# Allegro board 038RT-9068CJK8E-A100_0921_1.brd (continued)
## Routing (per net, layer and track width the routed paths; a pad name or vN(x,y) marks a point on that pad's centre or on a via; arc(x,y) is an arc through that point) (continued)
S1_P4_HSO+: length 165.7
  L05_SIGNAL w0.1: 407.91,198.6 407.91,198.58 407.92,198.57 407.92,197.7 arc(407.95,197.51) 408.06,197.35 409.58,195.83 arc(409.74,195.72) 409.93,195.68 434.92,195.68 arc(435.5,195.8) 435.98,196.12 arc(436.04,196.16) 436.11,196.18 436.82,196.18 arc(437.92,195.96) 438.85,195.34 439.2,194.99 arc(440.1,194.39) 441.17,194.17 442.49,194.17 arc(443.13,194.25) 443.74,194.49 arc(444.11,194.65) 444.5,194.74 arc(444.66,194.75) 444.82,194.76 445.78,194.76 arc(446.57,194.92) 447.25,195.37 448.7,196.82 452.49,200.61 arc(454.16,201.73) 456.13,202.12 480.46,202.12 arc(485.55,201.11) 489.86,198.22 497.35,190.73 arc(498.33,190.08) 499.48,189.85 540.85,189.85 arc(541.28,189.76) 541.64,189.52 543.47,187.68 arc(545.16,186.56) 547.14,186.17 547.14,186.16 548.23,186.16 548.23,186.17 550.17,186.17 arc(550.64,186.26) 551.04,186.52 arc(551.38,187.04) 551.5,187.65 551.5,190.13 arc(551.47,190.31) 551.37,190.46 551.2,190.62 arc(550.94,190.8) 550.63,190.86 549.89,190.86 arc(549.65,190.81) 549.44,190.67 arc(549.36,190.61) 549.26,190.59 548.44,190.59 arc(548.35,190.61) 548.27,190.66 v1(548.19,190.74)
  L05_SIGNAL w0.102: 407.91,198.6 407.91,198.71 arc(407.9,198.8) 407.85,198.87 v4(407.7,199.02)
  BOTTOM w0.105: v1(548.19,190.74) 548.29,190.64 551.57,190.64 UNK1K184.7
S1_P4_HSO-: length 165.7
  L05_SIGNAL w0.1: 408.28,198.6 408.28,198.58 408.28,198.57 408.28,197.7 arc(408.29,197.65) 408.32,197.6 409.84,196.09 arc(409.88,196.06) 409.93,196.05 434.92,196.05 arc(435.36,196.13) 435.73,196.38 arc(435.9,196.5) 436.11,196.54 436.82,196.54 arc(438.06,196.29) 439.11,195.59 439.46,195.25 arc(440.24,194.72) 441.17,194.54 442.49,194.54 arc(443.05,194.61) 443.57,194.81 arc(444,194.99) 444.45,195.1 arc(444.63,195.12) 444.82,195.12 445.78,195.12 arc(446.43,195.25) 446.99,195.62 452.23,200.87 arc(454.02,202.06) 456.13,202.48 480.46,202.48 arc(485.69,201.44) 490.12,198.48 497.61,190.99 arc(498.47,190.41) 499.48,190.21 521.7,190.21 arc(521.82,190.23) 521.92,190.3 521.94,190.32 arc(522.04,190.38) 522.16,190.41 522.3,190.41 arc(522.42,190.38) 522.52,190.32 522.54,190.3 arc(522.64,190.23) 522.76,190.21 522.9,190.21 arc(523.02,190.23) 523.12,190.3 523.14,190.32 arc(523.24,190.38) 523.36,190.41 523.5,190.41 arc(523.62,190.38) 523.72,190.32 523.74,190.3 arc(523.84,190.23) 523.96,190.21 524.1,190.21 arc(524.22,190.23) 524.32,190.3 524.34,190.32 arc(524.44,190.38) 524.56,190.41 524.7,190.41 arc(524.82,190.38) 524.92,190.32 524.94,190.3 arc(525.04,190.23) 525.16,190.21 525.3,190.21 arc(525.42,190.23) 525.52,190.3 525.54,190.32 arc(525.64,190.38) 525.76,190.41 525.9,190.41 arc(526.02,190.38) 526.13,190.32 526.14,190.3 arc(526.24,190.23) 526.36,190.21 526.5,190.21 arc(526.62,190.23) 526.73,190.3 526.74,190.32 arc(526.84,190.38) 526.96,190.41 527.1,190.41 arc(527.22,190.38) 527.33,190.32 527.34,190.3 arc(527.44,190.23) 527.56,190.21 527.7,190.21 arc(527.82,190.23) 527.93,190.3 527.94,190.32 arc(528.04,190.38) 528.16,190.41 528.3,190.41 arc(528.42,190.38) 528.53,190.32 528.54,190.3 arc(528.64,190.23) 528.76,190.21 528.9,190.21 arc(529.03,190.23) 529.13,190.3 529.14,190.32 arc(529.24,190.38) 529.36,190.41 529.51,190.41 arc(529.63,190.38) 529.73,190.32 529.74,190.3 arc(529.84,190.23) 529.96,190.21 530.11,190.21 arc(530.23,190.23) 530.33,190.3 530.34,190.32 arc(530.45,190.39) 530.59,190.42 530.68,190.42 arc(530.82,190.39) 530.93,190.32 530.94,190.3 arc(531.04,190.23) 531.17,190.21 531.31,190.21 arc(531.43,190.23) 531.53,190.3 531.54,190.32 arc(531.66,190.39) 531.8,190.42 531.88,190.42 arc(532.01,190.39) 532.13,190.32 532.14,190.3 arc(532.25,190.23) 532.37,190.21 532.51,190.21 arc(532.63,190.23) 532.73,190.3 532.74,190.32 arc(532.86,190.4) 533,190.42 533.07,190.42 arc(533.21,190.4) 533.33,190.32 533.34,190.3 arc(533.45,190.23) 533.57,190.21 533.71,190.21 arc(533.83,190.23) 533.93,190.3 533.94,190.32 arc(534.06,190.39) 534.2,190.42 534.28,190.42 arc(534.42,190.39) 534.53,190.32 534.55,190.3 arc(534.65,190.23) 534.77,190.21 534.91,190.21 arc(535.03,190.23) 535.13,190.3 535.15,190.32 arc(535.26,190.39) 535.39,190.42 535.48,190.42 arc(535.62,190.39) 535.73,190.32 535.75,190.3 arc(535.85,190.23) 535.97,190.21 536.11,190.21 arc(536.23,190.23) 536.33,190.3 536.35,190.32 arc(536.47,190.4) 536.61,190.42 536.67,190.42 arc(536.81,190.4) 536.93,190.32 536.95,190.3 arc(537.05,190.23) 537.17,190.21 537.31,190.21 arc(537.43,190.23) 537.53,190.3 537.55,190.32 arc(537.67,190.4) 537.82,190.43 537.86,190.43 arc(538.01,190.4) 538.13,190.32 538.15,190.3 arc(538.25,190.23) 538.37,190.21 538.51,190.21 arc(538.63,190.23) 538.73,190.3 538.75,190.32 arc(538.87,190.4) 539.01,190.43 539.07,190.43 arc(539.21,190.4) 539.34,190.32 539.35,190.3 arc(539.45,190.23) 539.57,190.21 540.85,190.21 arc(541.41,190.1) 541.89,189.78 543.73,187.94 arc(545.3,186.9) 547.14,186.53 550.17,186.53 arc(550.5,186.59) 550.78,186.78 arc(551.05,187.18) 551.14,187.65 551.14,190.13 arc(551.13,190.17) 551.11,190.2 550.95,190.36 arc(550.8,190.46) 550.63,190.49 549.89,190.49 arc(549.79,190.47) 549.7,190.41 arc(549.5,190.28) 549.26,190.23 548.44,190.23 arc(548.35,190.21) 548.27,190.16 v1(548.19,190.08)
  L05_SIGNAL w0.102: v4(408.5,199.02) 408.34,198.87 arc(408.3,198.8) 408.28,198.71 408.28,198.6
  BOTTOM w0.105: UNK1K184.6 551.57,190.18 548.29,190.18 v1(548.19,190.08)
S1_P5_HSI+: length 156.2
  L07_SIGNAL w0.1: 409.06,198.6 409.12,198.55 409.12,198.26 arc(409.15,198.08) 409.25,197.93 409.55,197.63 arc(409.71,197.52) 409.9,197.48 424.25,197.48 arc(424.45,197.52) 424.61,197.63 427.02,200.04 arc(427.06,200.07) 427.12,200.08 437.3,200.08 arc(437.49,200.12) 437.65,200.23 444.03,206.61 arc(444.35,206.82) 444.72,206.89 478.76,206.89 arc(479.6,206.72) 480.32,206.24 486.46,200.1 arc(490.4,197.47) 495.04,196.55 538.17,196.55 arc(538.28,196.53) 538.37,196.47 538.38,196.45 arc(538.51,196.37) 538.65,196.34 538.7,196.34 arc(538.85,196.37) 538.97,196.45 538.98,196.47 arc(539.08,196.53) 539.19,196.55 539.37,196.55 arc(539.48,196.53) 539.57,196.47 539.58,196.45 arc(539.71,196.37) 539.86,196.34 539.9,196.34 arc(540.05,196.37) 540.17,196.45 540.19,196.47 arc(540.28,196.53) 540.39,196.55 540.57,196.55 arc(540.68,196.53) 540.77,196.47 540.79,196.45 arc(540.9,196.38) 541.04,196.35 541.12,196.35 arc(541.26,196.38) 541.37,196.45 541.39,196.47 arc(541.48,196.53) 541.59,196.55 541.77,196.55 arc(541.88,196.53) 541.97,196.47 541.99,196.45 arc(542.11,196.37) 542.26,196.34 542.3,196.34 arc(542.45,196.37) 542.57,196.45 542.59,196.47 arc(542.68,196.53) 542.79,196.55 542.97,196.55 arc(543.08,196.53) 543.17,196.47 543.19,196.45 arc(543.29,196.39) 543.4,196.36 543.56,196.36 arc(543.67,196.39) 543.77,196.45 543.79,196.47 arc(543.88,196.53) 543.99,196.55 545.08,196.55 arc(545.61,196.45) 546.05,196.15 546.26,195.95 arc(546.96,194.9) 547.2,193.66 547.2,193.3 arc(547.19,193.25) 547.16,193.2 547.09,193.13 arc(547.05,193.1) 547,193.09 546.84,193.09 arc(546.76,193.11) 546.68,193.16 v1(546.6,193.24)
  L07_SIGNAL w0.102: v4(408.5,199.82) 408.75,199.57 arc(408.86,199.4) 408.9,199.21 408.9,198.87 arc(408.92,198.77) 408.97,198.69 409.06,198.6
  BOTTOM w0.105: UNK1K184.12 551.57,193.14 546.7,193.14 v1(546.6,193.24)
S1_P5_HSI-: length 156.2
  L07_SIGNAL w0.1: 409.6,198.6 409.53,198.53 arc(409.49,198.48) 409.48,198.41 409.48,198.26 arc(409.49,198.22) 409.51,198.18 409.81,197.89 arc(409.85,197.86) 409.9,197.85 424.25,197.85 arc(424.31,197.86) 424.35,197.89 426.76,200.3 arc(426.92,200.41) 427.12,200.45 437.3,200.45 arc(437.35,200.46) 437.4,200.49 443.78,206.86 arc(444.21,207.15) 444.72,207.26 478.76,207.26 arc(479.74,207.06) 480.58,206.5 486.72,200.36 arc(490.54,197.81) 495.04,196.91 545.08,196.91 arc(545.75,196.78) 546.31,196.41 546.51,196.2 arc(547.29,195.04) 547.57,193.66 547.57,193.3 arc(547.53,193.11) 547.42,192.95 547.35,192.88 arc(547.19,192.77) 547,192.73 546.84,192.73 arc(546.76,192.71) 546.68,192.66 v1(546.6,192.58)
  L07_SIGNAL w0.102: 409.6,198.6 409.65,198.66 arc(409.69,198.71) 409.7,198.76 409.7,199.21 arc(409.66,199.4) 409.55,199.57 v4(409.3,199.82)
  BOTTOM w0.105: UNK1K184.11 551.57,192.68 546.7,192.68 v1(546.6,192.58)
S1_P5_HSO+: length 156.3
  L05_SIGNAL w0.1: v1(548.19,195.24) 548.27,195.16 arc(548.35,195.11) 548.44,195.09 549.34,195.09 arc(549.61,195.15) 549.84,195.3 550.83,196.29 arc(551.06,196.63) 551.14,197.02 arc(550.9,198.2) 550.23,199.2 547.66,201.77 arc(546.74,202.38) 545.65,202.6 536.23,202.6 arc(536.12,202.58) 536.03,202.51 536.01,202.5 arc(535.89,202.42) 535.75,202.39 535.68,202.39 arc(535.54,202.42) 535.43,202.5 535.41,202.51 arc(535.32,202.58) 535.21,202.6 535.03,202.6 arc(534.92,202.58) 534.82,202.51 534.81,202.5 arc(534.69,202.42) 534.54,202.39 534.49,202.39 arc(534.35,202.42) 534.22,202.5 534.21,202.51 arc(534.12,202.58) 534.01,202.6 533.83,202.6 arc(533.72,202.58) 533.62,202.51 533.61,202.5 arc(533.5,202.42) 533.36,202.4 533.27,202.4 arc(533.14,202.42) 533.02,202.5 533.01,202.51 arc(532.92,202.58) 532.81,202.6 532.63,202.6 arc(532.52,202.58) 532.42,202.51 532.41,202.5 arc(532.28,202.42) 532.13,202.39 532.1,202.39 arc(531.95,202.42) 531.82,202.5 531.81,202.51 arc(531.72,202.58) 531.61,202.6 531.42,202.6 arc(531.31,202.58) 531.22,202.51 531.21,202.5 arc(531.11,202.43) 530.99,202.41 530.84,202.41 arc(530.72,202.43) 530.62,202.5 530.61,202.51 arc(530.51,202.58) 530.41,202.6 519.63,202.6 arc(518.95,202.73) 518.37,203.12 518.27,203.22 517.74,203.7 517.74,203.7 arc(517.26,204) 516.7,204.11 446.64,204.11 arc(444.27,203.64) 442.26,202.3 437.84,197.88 arc(437.43,197.6) 436.95,197.51 410.65,197.51 arc(410.47,197.54) 410.32,197.65 409.64,198.33
  L05_SIGNAL w0.102: v4(409.3,199.02) 409.42,198.9 arc(409.49,198.79) 409.51,198.67 409.51,198.6 arc(409.54,198.46) 409.62,198.35 409.64,198.33
  BOTTOM w0.105: UNK1K184.16 551.57,195.14 548.29,195.14 v1(548.19,195.24)
S1_P5_HSO-: length 156.3
  L05_SIGNAL w0.1: v1(548.19,194.58) 548.27,194.66 arc(548.35,194.71) 548.44,194.73 549.34,194.73 arc(549.75,194.81) 550.1,195.05 551.09,196.04 arc(551.39,196.49) 551.5,197.02 arc(551.24,198.34) 550.49,199.46 547.92,202.02 arc(546.88,202.72) 545.65,202.96 519.63,202.96 arc(519.09,203.07) 518.63,203.38 518.52,203.48 517.99,203.97 arc(517.39,204.34) 516.7,204.47 446.64,204.47 arc(444.13,203.97) 442,202.55 437.58,198.13 arc(437.29,197.94) 436.95,197.87 410.65,197.87 arc(410.61,197.88) 410.58,197.9 409.92,198.56 arc(409.9,198.58) 409.89,198.6
  L05_SIGNAL w0.102: v4(410.1,199.02) 409.92,198.85 arc(409.89,198.8) 409.88,198.74 409.88,198.66 arc(409.88,198.63) 409.89,198.6
  BOTTOM w0.105: v1(548.19,194.58) 548.29,194.68 551.57,194.68 UNK1K184.15
S1_P5_LDOOUT:
  vias: v1(406.9,206.22) v1(406.9,205.42)
S1_P5_LED: length 23.4
  L05_SIGNAL w0.102: 412.92,205.02 409.7,205.02 v1(409.3,205.42)
  L05_SIGNAL w0.105: v1(432.06,203.99) 431.03,205.02 412.92,205.02
S1_P5_MDI+: length 29.7
  TOP w0.105: 379.12,211.94 381.94,211.94 383.49,213.49 383.49,216.29 384.28,217.08 399.12,217.08 401.13,215.07 401.13,213.59 SITE1.A5
  TOP w0.115: UNK1K130.3 379.01,212.05 379.12,211.94
S1_P5_MDI-: length 29.7
  TOP w0.105: SITE1.A4 400.66,213.59 400.66,214.87 398.93,216.61 384.47,216.61 383.95,216.09 383.95,215.35 384.08,215.23 384.17,215.23 384.29,215.1 384.29,214.93 384.17,214.81 384.08,214.81 383.95,214.68 383.95,214.51 384.08,214.39 384.17,214.39 384.29,214.26 384.29,214.09 384.17,213.97 384.08,213.97 383.95,213.84 383.95,213.3 382.14,211.48 379.12,211.48
  TOP w0.115: 379.12,211.48 379.01,211.37 UNK1K130.6
S1_P5_RXC: length 41.6
  L07_SIGNAL w0.102: v1(412.5,208.62) 412.92,208.62
  L07_SIGNAL w0.105: 412.92,208.62 415.1,208.62 417.51,211.03 423.09,211.03 429.49,217.43 437.07,217.43 437.88,218.24 437.88,220.82 437.22,221.49 435.63,221.49 434.44,222.67 434.44,224.97 v1(436.21,226.73)
  BOTTOM w0.115: UNK1RR934.1 v1(436.21,226.73) UNK1RR924.1
S1_P5_RXD0: length 173.4
  L11_SIGNAL w0.102: 412.92,211.02 v1(412.5,211.02)
  L11_SIGNAL w0.105: 412.92,211.02 413.43,211.02 415.33,212.92 437.74,212.92 438.94,211.72 440.29,211.72 441.3,212.74 483.98,212.74 496.99,199.73 549.57,199.73 552.09,197.21 555.08,197.21 559.5,192.79 574.13,192.79 v1(574.97,191.96)
  BOTTOM w0.115: UNK1RR920.1 v1(574.97,191.96) UNK1RR930.1
S1_P5_RXD1: length 32.1
  L07_SIGNAL w0.102: v1(411.7,210.22) 412.1,209.82 412.92,209.82
  L07_SIGNAL w0.105: 412.92,209.82 413.15,209.59 415.28,209.59 417.34,211.65 422.76,211.65 429.1,217.98 436.49,217.98 436.72,218.21 436.72,220.12 v1(436.21,220.64)
  BOTTOM w0.115: UNK1RR931.1 v1(436.21,220.64) UNK1RR921.1
S1_P5_RXD2: length 28.3
  L07_SIGNAL w0.102: 412.79,210.48 412.76,210.48 v1(412.5,210.22)
  L07_SIGNAL w0.105: v1(436.21,218.61) 435.61,219.2 429.25,219.2 422.27,212.22 416.24,212.22 414.51,210.48 412.79,210.48
  BOTTOM w0.115: UNK1RR932.1 v1(436.21,218.61) UNK1RR922.1
S1_P5_RXD3: length 36.3
  L15_SIGNAL w0.102: v1(411.7,209.42) 411.3,209.82 411.3,213.84
  L15_SIGNAL w0.105: v1(436.21,228.77) 435.43,227.99 433.47,227.99 421.47,215.99 413.45,215.99 411.3,213.84
  BOTTOM w0.115: UNK1RR923.1 v1(436.21,228.77) UNK1RR933.1
S1_P5_RXDV: length 33.6
  L15_SIGNAL w0.105: v1(440.02,222.67) 438.61,221.26 434.26,221.26 432.07,219.07 425.49,219.07 421.84,215.43 418.51,215.43 v1(412.5,209.42)
  BOTTOM w0.115: UNK1RR935.1 v1(440.02,222.67) UNK1RR925.1
S1_P5_TXC: length 215.9
  L11_SIGNAL w0.102: v1(411.7,207.02) 412.1,207.42 412.1,208.1 412.22,208.22 412.92,208.22
  L11_SIGNAL w0.105: v1(606.65,181.7) 605.65,182.71 605.65,184.46 601.77,188.33 590.43,188.33 587.63,185.53 583.31,185.53 582.1,184.32 576.88,184.32 568.97,192.23 558.99,192.23 554.83,196.39 551.35,196.39 550.58,197.16 543.69,197.16 542.54,196.01 537.67,196.01 537.52,196.16 499.56,196.16 483.67,212.05 464.01,212.05 463.6,211.63 445.95,211.63 444.7,210.39 415.09,210.39 412.92,208.22 412.92,208.22
  BOTTOM w0.115: UNK1RR904.1 v1(606.65,181.7) UNK1RR914.1
S1_P5_TXD0: length 206.2
  L11_SIGNAL w0.102: v1(411.7,206.22) 412.1,206.62 412.83,206.62 412.9,206.7 412.92,206.7
  L11_SIGNAL w0.105: 412.92,206.7 415.45,206.7 417.21,208.45 463.73,208.45 464.74,209.46 481.27,209.46 496.74,193.99 527.44,193.99 528.42,193 541.8,193 548.54,186.26 572.57,186.26 575.9,182.93 582.28,182.93 583.77,184.42 599.65,184.42 599.73,184.34 601.07,184.34 601.6,183.81 601.6,182.69 v1(602.59,181.7)
  BOTTOM w0.115: UNK1RR900.1 v1(602.59,181.7) UNK1RR910.1
S1_P5_TXD1: length 203.2
  L11_SIGNAL w0.105: v1(600.56,181.7) 599.81,182.45 599.81,183.47 599.42,183.86 584,183.86 582.18,182.04 528.9,182.04 517.72,193.22 496.69,193.22 481.13,208.79 465.08,208.79 464.13,207.84 428.14,207.84 427.18,206.88 417.05,206.88 416.28,206.11 412.61,206.11 v1(412.5,206.22)
  BOTTOM w0.115: UNK1RR901.1 v1(600.56,181.7) UNK1RR911.1
S1_P5_TXD2: length 186.7
  L11_SIGNAL w0.102: v1(411.7,205.42) 412.1,205.02 412.74,205.02 412.78,204.98 412.92,204.98
  L11_SIGNAL w0.105: 412.92,204.98 427.61,204.98 427.93,205.29 439.95,205.29 440.96,206.31 464.74,206.31 465.7,207.27 477.88,207.27 494.28,190.87 515.27,190.87 526.61,179.53 582.12,179.53 v1(584.3,181.7)
  BOTTOM w0.115: UNK1RR912.1 v1(584.3,181.7) UNK1RR902.1
S1_P5_TXD3: length 200.5
  L11_SIGNAL w0.105: v1(598.53,181.7) 597.67,182.56 597.67,183.2 597.57,183.31 584.23,183.31 582.41,181.49 525.68,181.49 514.9,192.27 493.77,192.27 477.99,208.05 465.36,208.05 464.53,207.22 428.44,207.22 427.49,206.27 417.46,206.27 416.73,205.54 412.62,205.54 v1(412.5,205.42)
  BOTTOM w0.115: UNK1RR913.1 v1(598.53,181.7) UNK1RR903.1
S1_P5_TXEN: length 210.9
  L11_SIGNAL w0.102: v1(412.5,207.02) 412.75,207.27 412.92,207.27
  L11_SIGNAL w0.105: v1(604.62,181.7) 603.78,182.55 603.78,184.02 601.8,185.99 588.87,185.99 587.86,184.97 583.54,184.97 582.25,183.68 575.93,183.68 571.27,188.35 560.96,188.35 559.42,186.81 548.82,186.81 542.04,193.6 528.7,193.6 527.76,194.54 499.99,194.54 483.12,211.41 465.12,211.41 463.44,209.74 417.54,209.74 415.07,207.27 412.92,207.27
  BOTTOM w0.115: UNK1RR915.1 v1(604.62,181.7) UNK1RR905.1
S1_P5_VDDIO:
  vias: v1(411.7,211.02) v1(411.7,207.82) v1(412.5,207.82) v1(418.28,207.59) v1(418.92,207.59)
S1_P6_CLKREQB: length 169.5
  L46_SIGNAL w0.145: v1(398.1,200.62) 397.45,200.62 396.53,199.7 396.53,195.95 398.67,193.81 398.67,189.64 400.94,187.37 400.94,94.32 384.04,77.42 384.04,57.22 379.22,52.4 374.02,52.4 373.37,53.05 373.37,54.35 UNK1K211.3
S1_P6_HSI+: length 46.4
  L03_SIGNAL w0.185: v4(402.1,199.02) 401.99,198.92 arc(401.94,198.83) 401.91,198.73 401.91,198.06 arc(402.44,196.79) 403.72,196.26 407.73,196.26 arc(407.97,196.21) 408.18,196.07 408.18,196.07 arc(408.24,196.03) 408.32,196.01 423.22,196.01 arc(423.35,196.04) 423.46,196.11 423.48,196.14 arc(423.62,196.23) 423.79,196.27 423.88,196.27 arc(424.05,196.23) 424.2,196.14 424.22,196.11 arc(424.33,196.04) 424.45,196.01 425.4,196.01 arc(425.98,195.9) 426.46,195.58 426.81,195.22 arc(426.92,195.15) 427.05,195.13 427.08,195.13 arc(427.24,195.1) 427.37,195.01 427.47,194.91 arc(427.56,194.78) 427.59,194.62 427.59,194.59 arc(427.61,194.46) 427.68,194.35 427.86,194.18 arc(427.97,194.11) 428.09,194.08 428.13,194.08 arc(428.28,194.05) 428.41,193.96 428.52,193.86 arc(428.6,193.73) 428.63,193.58 428.63,193.54 arc(428.66,193.41) 428.73,193.31 428.91,193.13 arc(429.01,193.06) 429.14,193.03 429.18,193.03 arc(429.35,193) 429.49,192.9 429.55,192.85 arc(429.65,192.7) 429.68,192.53 429.68,192.49 arc(429.71,192.37) 429.78,192.26 430.05,191.98 arc(430.47,191.7) 430.97,191.61 434.81,191.61 arc(434.93,191.63) 435.04,191.7 435.06,191.73 arc(435.21,191.82) 435.38,191.86 435.47,191.86 arc(435.64,191.82) 435.78,191.73 435.8,191.7 arc(435.91,191.63) 436.04,191.61 437.86,191.61 arc(437.99,191.63) 438.11,191.71 438.25,191.85 arc(438.51,192.02) 438.81,192.08 439.97,192.08
  L03_SIGNAL w0.2: 439.97,192.08 v1(440.08,192.2)
  BOTTOM w0.14: v1(440.08,192.2) 440.22,192.06 443.42,192.06 UNK1K213.7
S1_P6_HSI-: length 46.3
  L03_SIGNAL w0.185: v4(401.3,199.02) 401.4,198.92 arc(401.46,198.83) 401.48,198.73 401.48,198.06 arc(402.14,196.48) 403.72,195.82 407.73,195.82 arc(407.81,195.81) 407.88,195.76 arc(408.08,195.63) 408.32,195.58 423.22,195.58 arc(423.22,195.58) 423.22,195.58 425.4,195.58 arc(425.81,195.5) 426.15,195.27 429.75,191.68 arc(430.31,191.3) 430.97,191.17 437.86,191.17 arc(438.16,191.23) 438.41,191.4 438.56,191.55 arc(438.67,191.62) 438.81,191.65 439.97,191.65
  L03_SIGNAL w0.2: 439.97,191.65 v1(440.08,191.54)
  BOTTOM w0.14: UNK1K213.6 443.42,191.67 440.22,191.67 v1(440.08,191.54)
S1_P6_HSO+: length 48.6
  TOP w0.14: v1(441.6,189.54) arc(441.46,189.64) 441.28,189.67 437.73,189.67 arc(436.34,189.95) 435.17,190.73 432.13,193.77 arc(431.72,194.05) 431.23,194.14 424.09,194.14 arc(423.75,194.21) 423.45,194.41 422.22,195.64 arc(422.16,195.68) 422.07,195.7 414.56,195.7 arc(414.36,195.74) 414.19,195.85 arc(414.14,195.88) 414.08,195.9 401.22,195.9 arc(400.29,196.28) 399.9,197.22 399.9,198.53 arc(399.85,198.79) SITE1.W3
  BOTTOM w0.14: UNK1K213.2 443.42,189.67 441.74,189.67 v1(441.6,189.54)
S1_P6_HSO-: length 48.6
  TOP w0.14: SITE1.W4 arc(400.35,198.79) 400.29,198.53 400.29,197.22 arc(400.56,196.56) 401.22,196.29 414.08,196.29 arc(414.29,196.24) 414.46,196.13 arc(414.51,196.1) 414.56,196.09 422.07,196.09 arc(422.3,196.04) 422.5,195.91 423.73,194.68 arc(423.89,194.57) 424.09,194.53 424.18,194.53 arc(424.29,194.56) 424.39,194.62 424.41,194.64 arc(424.5,194.7) 424.61,194.72 424.75,194.72 arc(424.86,194.7) 424.95,194.64 424.97,194.62 arc(425.07,194.56) 425.18,194.53 425.3,194.53 arc(425.41,194.56) 425.51,194.62 425.53,194.64 arc(425.61,194.69) 425.7,194.71 425.9,194.71 arc(425.99,194.69) 426.07,194.64 426.09,194.62 arc(426.19,194.56) 426.3,194.53 426.42,194.53 arc(426.53,194.56) 426.63,194.62 426.65,194.64 arc(426.72,194.69) 426.81,194.71 427.03,194.71 arc(427.12,194.69) 427.19,194.64 427.21,194.62 arc(427.31,194.56) 427.42,194.53 427.54,194.53 arc(427.65,194.56) 427.75,194.62 427.77,194.64 arc(427.84,194.69) 427.93,194.71 428.15,194.71 arc(428.23,194.69) 428.31,194.64 428.33,194.62 arc(428.43,194.56) 428.54,194.53 428.66,194.53 arc(428.77,194.56) 428.87,194.62 428.89,194.64 arc(428.97,194.69) 429.06,194.71 429.26,194.71 arc(429.35,194.69) 429.43,194.64 429.45,194.62 arc(429.55,194.56) 429.66,194.53 429.78,194.53 arc(429.89,194.56) 429.99,194.62 430.01,194.64 arc(430.1,194.7) 430.2,194.72 430.36,194.72 arc(430.46,194.7) 430.55,194.64 430.57,194.62 arc(430.67,194.56) 430.78,194.53 431.23,194.53 arc(431.87,194.41) 432.41,194.05 435.44,191.01 arc(436.49,190.31) 437.73,190.06 441.28,190.06 arc(441.45,190.1) v1(441.6,190.2)
  BOTTOM w0.14: v1(441.6,190.2) 441.74,190.06 443.42,190.06 UNK1K213.3
S1_P6_ISOLATEB: length 165.6
  L46_SIGNAL w0.102: 399.3,198.6 399.3,200.22 v1(398.9,200.62)
  L46_SIGNAL w0.145: 399.3,198.6 399.3,196.04 402.45,192.89 402.45,189.09 403.93,187.61 403.93,96.09 435.03,64.99 435.03,56.12 436.45,54.71 439.13,54.71 UNK1K220.3
S1_P6_LANWAKEB: length 157
  L46_SIGNAL w0.102: v1(398.9,201.42) 398.5,201.82 397.68,201.82
  L46_SIGNAL w0.145: UNK1K212.3 382.97,60.55 382.97,78.67 397.35,93.06 397.35,193.95 395.69,195.6 395.69,200.04 397.47,201.82 397.68,201.82
S1_P6_LED: length 24.1
  L05_SIGNAL w0.102: v1(409.3,204.62) 409.7,204.22 412.92,204.22
  L05_SIGNAL w0.105: 412.92,204.22 421.4,204.22 422.8,202.82 430.69,202.82 v1(432.06,201.45)
S1_P6_MDI+: length 69.5
  L03_SIGNAL w0.136: UNK1K140.3 350,211.35 349.86,211.48 346.33,211.48 345.8,212.01 345.8,215.02 346.78,216.01 382.17,216.01 383.25,217.09 400.6,217.09 401.54,216.15 401.54,213.17 v1(402.1,212.62)
S1_P6_MDI-: length 69.5
  L03_SIGNAL w0.136: v1(401.3,212.62) 401.09,212.83 401.09,215.97 400.42,216.64 392.38,216.64 392.22,216.48 392.22,216.22 392.06,216.06 391.83,216.06 391.67,216.22 391.67,216.48 391.51,216.64 391.29,216.64 391.13,216.48 391.13,216.22 390.97,216.06 390.75,216.06 390.59,216.22 390.59,216.48 390.43,216.64 390.2,216.64 390.04,216.48 390.04,216.22 389.88,216.06 389.66,216.06 389.5,216.22 389.5,216.48 389.34,216.64 383.44,216.64 382.35,215.55 346.97,215.55 346.25,214.84 346.25,212.2 346.52,211.94 349.86,211.94 350,212.07 UNK1K140.6
S1_P6_PCIE_RESETB: length 159.7
  L46_SIGNAL w0.145: UNK1K221.3 432.56,57.17 432.56,65.98 403.25,95.28 403.25,186.19 399.47,189.97 399.47,194.14 397.33,196.28 397.33,199.37 397.78,199.82 v1(398.1,199.82)
S1_P6_REFCLK+: length 87.8
  L07_SIGNAL w0.1: v1(398.9,199.82) 398.5,199.42 398.5,198.72 398.72,198.5 398.72,196.61 402.67,192.65 402.67,185.45 403.56,184.56 403.56,182.7 407.52,178.74 451.99,178.74 462.94,189.69 463.92,189.69 v1(464.07,189.54)
  BOTTOM w0.105: v1(464.07,189.54) 464.21,189.67 465.63,189.67 UNK1K214.2
S1_P6_REFCLK-: length 87.8
  L07_SIGNAL w0.1: v1(464.07,190.2) 463.92,190.05 462.79,190.05 461.54,188.79 461.44,188.79 461.28,188.79 461.12,188.64 461.12,188.38 460.97,188.23 460.88,188.23 460.71,188.23 460.56,188.07 460.56,187.81 460.4,187.66 460.31,187.66 460.15,187.66 459.99,187.51 459.99,187.25 459.84,187.09 459.75,187.09 459.58,187.09 459.43,186.94 459.43,186.68 451.84,179.1 407.67,179.1 403.92,182.85 403.92,184.71 403.03,185.6 403.03,192.8 399.08,196.76 399.08,198.5 399.3,198.72 399.3,199.42 v1(399.7,199.82)
  BOTTOM w0.105: UNK1K214.3 465.63,190.06 464.21,190.06 v1(464.07,190.2)
S1_P7_CLKREQB: length 165.6
  L46_SIGNAL w0.102: v1(401.3,202.22) 400.9,202.62 400.9,203.28 400.76,203.42 397.68,203.42
  L46_SIGNAL w0.145: 397.68,203.42 396.81,203.42 394.09,200.71 394.09,194.94 395.25,193.79 395.25,93.93 373.56,72.24 373.56,62.29 370.27,58.99 370.27,57.26 UNK1K211.6
S1_P7_HSI+: length 39.9
  L03_SIGNAL w0.185: 439.81,196.58 431.03,196.58 arc(430.43,196.71) 429.91,197.05 429.41,197.55 arc(429.1,197.75) 428.73,197.83 428,197.83 arc(427.87,197.86) 427.75,197.93 427.72,197.96 arc(427.58,198.06) 427.41,198.09 427.32,198.09 arc(427.15,198.06) 427.01,197.96 426.98,197.93 arc(426.75,197.84) 426.52,197.93 426.49,197.96 arc(426.35,198.06) 426.18,198.09 426.09,198.09 arc(425.92,198.06) 425.78,197.96 425.75,197.93 arc(425.52,197.84) 425.29,197.93 425.27,197.96 arc(425.12,198.06) 424.95,198.09 424.86,198.09 arc(424.7,198.06) 424.55,197.96 424.53,197.93 arc(424.29,197.84) 424.06,197.93 424.05,197.94 arc(423.9,198.05) 423.72,198.08 423.63,198.08 arc(423.46,198.05) 423.31,197.95 423.3,197.93 arc(423.07,197.84) 422.84,197.93 422.82,197.94 arc(422.67,198.05) 422.49,198.08 422.4,198.08 arc(422.23,198.05) 422.08,197.95 422.07,197.93 arc(421.95,197.86) 421.81,197.83 406.3,197.83 arc(406.03,197.94) 405.91,198.21 405.91,198.58 arc(405.96,198.82) v4(406.1,199.02)
  L03_SIGNAL w0.2: v1(440.08,196.7) arc(439.96,196.61) 439.81,196.58
  BOTTOM w0.14: v1(440.08,196.7) 440.22,196.56 443.42,196.56 UNK1K213.16
S1_P7_HSI-: length 39.8
  L03_SIGNAL w0.185: 439.81,196.15 431.03,196.15 arc(430.26,196.3) 429.6,196.74 429.11,197.24 arc(428.94,197.35) 428.73,197.39 406.3,197.39 arc(405.72,197.63) 405.48,198.21 405.48,198.58 arc(405.43,198.82) v4(405.3,199.02)
  L03_SIGNAL w0.2: 439.81,196.15 arc(439.96,196.12) v1(440.08,196.04)
  BOTTOM w0.14: v1(440.08,196.04) 440.22,196.17 443.42,196.17 UNK1K213.15
S1_P7_HSO+: length 42.2
  TOP w0.14: v1(438.06,194.04) arc(437.91,194.14) 437.73,194.17 437.18,194.17 arc(436.54,194.3) 436.01,194.66 435.18,195.49 434.39,196.27 arc(434.24,196.37) 434.06,196.41 425.46,196.41 arc(425.19,196.46) 424.97,196.61 424.14,197.44 arc(424.04,197.5) 423.92,197.53 404.62,197.53 arc(404.18,197.68) 403.93,198.06 403.93,198.47 arc(403.87,198.77) SITE1.W8